# Altium PCB PCB2.PcbDoc
Units mil, origin at the board's own origin, x right, y up, seen from the top; angles counter-clockwise.
Board outline 3225 x 2225 mil, 2 copper layers (Top Layer, Bottom Layer); 13 components, 14 nets, 66 pads, 0 vias.
Unrouted connection lines stored in the file: 1.
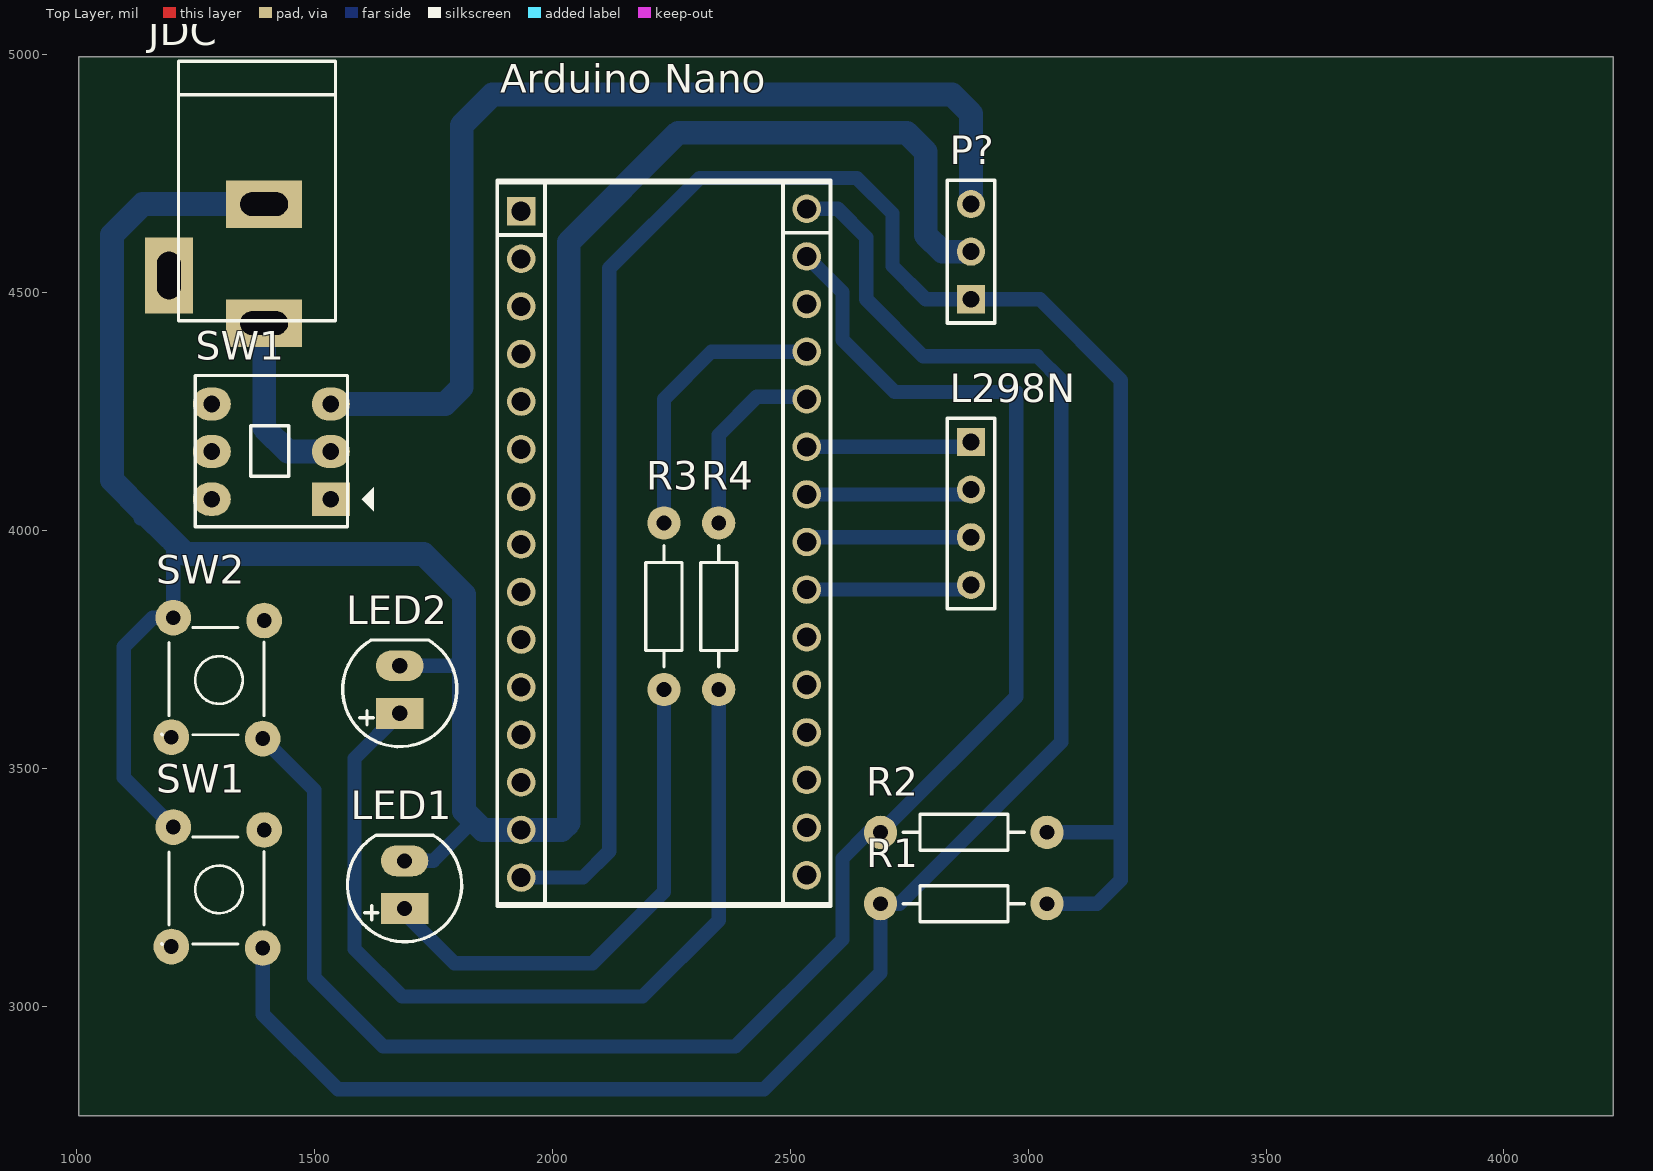
[diagram p0: Top Layer view]
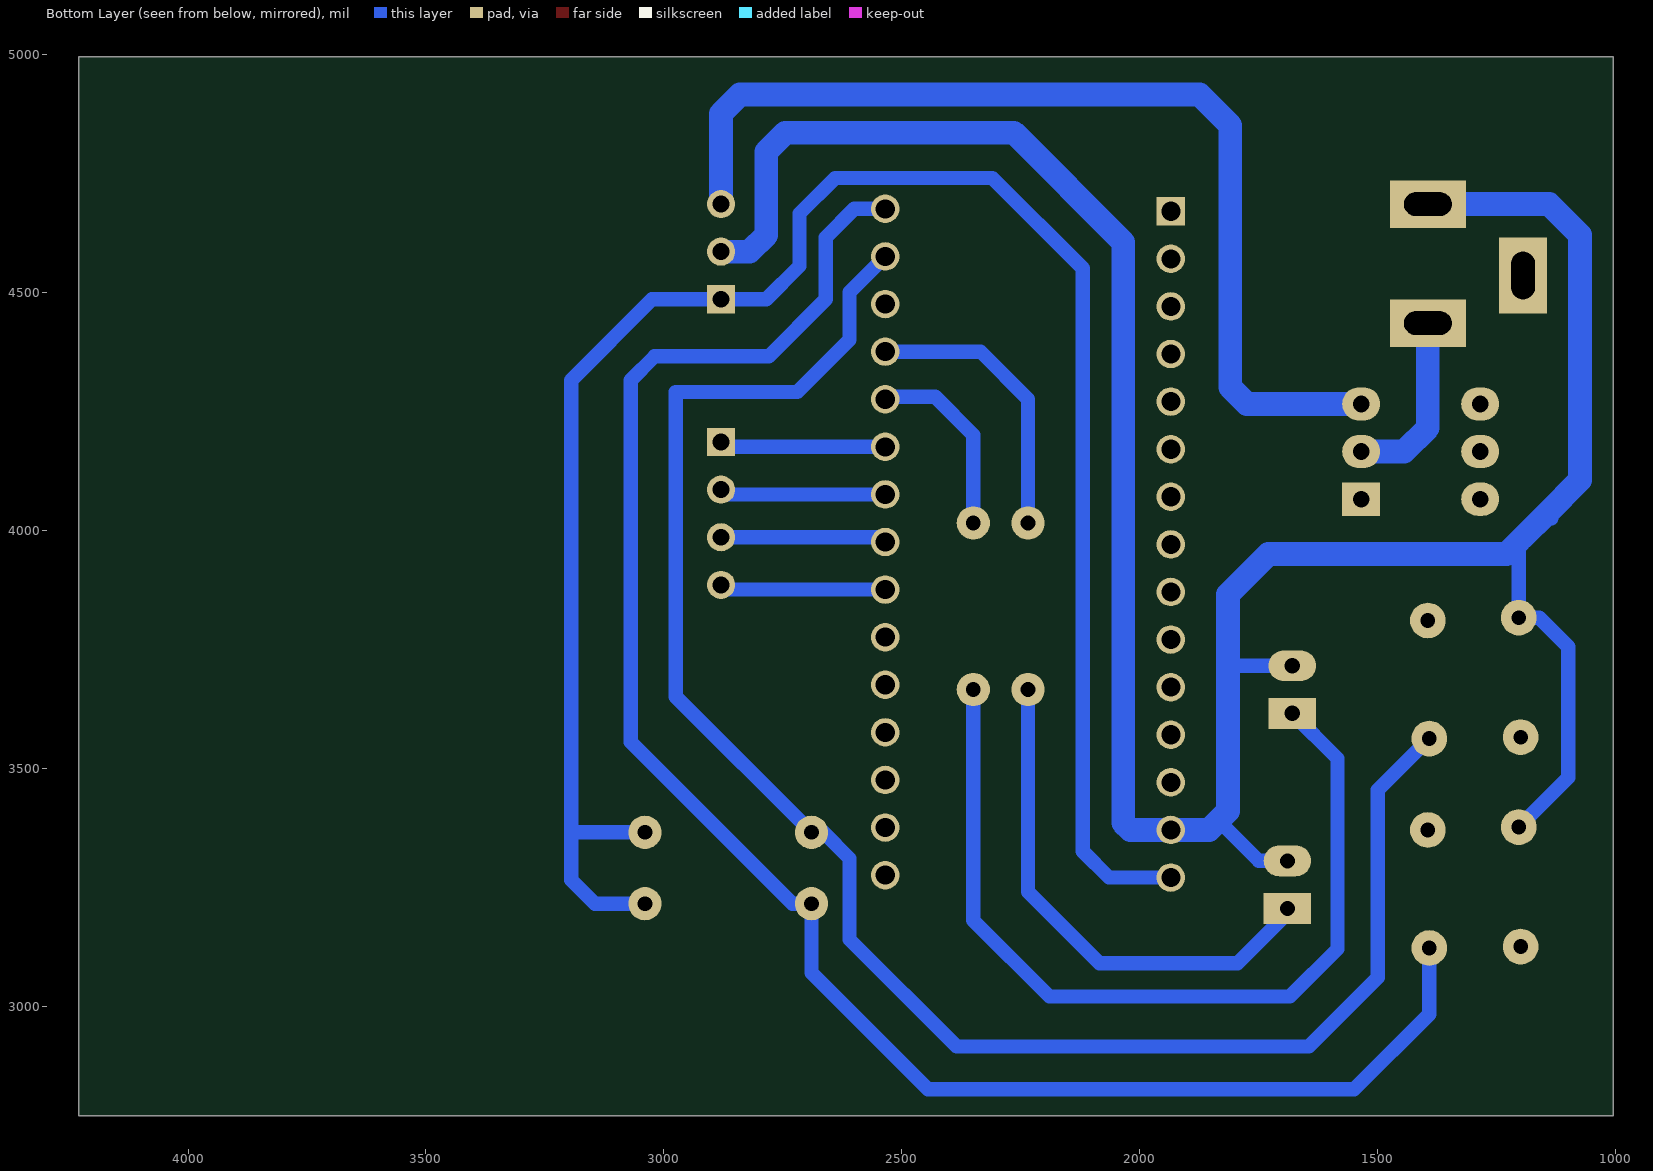
[diagram p1: Bottom Layer view, seen from below]

## Layer stack, top to bottom
Top Solder: solder mask 0.4, Solder Resist, Dk 3.5
Top Layer: signal copper 1.4
Dielectric 1: dielectric 12.6, FR-4, Dk 4.8
Bottom Layer: signal copper 1.4
Bottom Solder: solder mask 0.4, Solder Resist, Dk 3.5

## Board outline
1005,4995 4230,4995 4230,4925 4230,2770 1005,2770 1005,4995

## Design rules (kind name [scope] priority, off if disabled: settings)
Clearance [All] p1: gap=10
PolygonConnect [All] p1: connectstyle=Relief reliefconductorwidth=10 reliefentries=4 polygonreliefangle="90 Angle" airgapwidth=10
RoomDefinition Sheet2 [InComponentClass('Sheet2')] p1: confinementstyle=ConfineIn formatcopy=TRUE lockcomponents=FALSE outline 7045,1060 10840,1060 10840,2940 7045,2940
RoutingVias [All] p1: holewidth=28 width=50 viastyle="Through Hole" minholewidth=28 minwidth=50 maxholewidth=28 maxwidth=50
SolderMaskExpansion [All] p1: expansion=4
Width [All] p1: maxlimit=50 minlimit=30 preferedwidth=40
30 further rules are at their usual default settings.

## Classes and differential pairs
component class Sheet2: "Arduino Nano" JDC L298N LED1 LED2 P? R1 R2 R3 R4 SW1 SW2

## Components (designator, comment, footprint, x,y, rotation, side; value= is the part's Value field where it differs from the comment)
"Arduino Nano" "Arduino Nano" "Arduino Nano" 2205,3965 r180 top
JDC "Jac DC" DC-IN 1295,4560 r270 top
L298N "Header 4" HDR1X4 2880,4185 r270 top
LED1 "LED" "LED-5 GRe" 1690,3205 r90 top
LED2 "LED" "LED-5 GRe" 1680,3615 r90 top
P? "Header 3" HDR1X3 2880,4485 r90 top
R1 "10k" R1/4W 2690,3215 r0 top
R2 "10k" R1/4W 2690,3365 r0 top
R3 "330" R1/4W 2235,4015 r270 top
R4 "330" R1/4W 2350,4015 r270 top
SW1 "SW6A" SW6 1535,4065 r180 top
SW1 "SW" SW4 1395,3370 r270 top
SW2 "SW" SW4 1395,3810 r270 top

## Footprints (in the part's own frame and the unit in brackets; to place one, negate y for a bottom-side part, rotate by r counter-clockwise, add the part's x,y. Pads: shape width x height; smd on the part's side, far side on the other; paste and mask are expansions set on the pad)
"Arduino Nano" [mm]
  round 1.52 hole 1.02: 3V3(6.858,-15.367) 5V(6.858,10.033) A0(6.858,-10.287) A1(6.858,-7.747) A2(6.858,-5.207) A3(6.858,-2.667) A4(6.858,-0.127) A5(6.858,2.413) A6(6.858,4.953) A7(6.858,7.493) D2(-8.382,7.366) D3(-8.382,4.826) D4(-8.382,2.286) D5(-8.382,-0.254) D6(-8.382,-2.794) D7(-8.382,-5.334) D8(-8.382,-7.874) D9(-8.382,-10.414) D10(-8.382,-12.954) D11(-8.382,-15.494) D12(-8.382,-18.034) GND(-8.382,9.906) GND(6.858,15.113) REF(6.858,-12.827) RST(-8.382,12.446) RST(6.858,12.573) RX0(-8.382,14.986) TX1(-8.382,17.526) VIN(6.858,17.653)
  rect 1.52x1.52 hole 1.02: D13(6.858,-17.907)
  silkscreen extent -9.65,-19.55 8.13,19.18, body extent -9.65,-23.48 8.14,21.44, height 21.18
DC-IN [mil] "Jac DC input"
  rect 100x160 hole 50 slot 100 at 90 deg: 1(125,100) 2(-125,100)
  rect 160x100 hole 50 slot 100 at 0 deg: 3(25,-100)
  silkscreen extent -425,-80 120,250, body extent -410,-105 134,269, height 434
HDR1X3 [mm] "Connector; Header; 3 Position"
  rect 1.5x1.5 hole 0.9: 1(0,0)
  round 1.5 hole 0.9: 2(2.54,0) 3(5.08,0)
  silkscreen extent -1.27,-1.27 6.35,1.27, body extent -1.27,-1.27 6.35,1.27, height 7
HDR1X4 [mm] "Connector; Header; 4 Position"
  rect 1.5x1.5 hole 0.9: 1(0,0)
  round 1.5 hole 0.9: 2(2.54,0) 3(5.08,0) 4(7.62,0)
  silkscreen extent -1.27,-1.27 8.89,1.27, body extent -1.27,-1.27 8.89,1.27, height 7
"LED-5 GRe" [mil] "LED 2 PIN, 5 ly , Only colour,pin to pin 100mil"
  rect 65x100 hole 32: 1(0,0)
  oval 65x100 hole 32: 2(100,0)
  silkscreen extent -70,-120 154,120, body extent -54,-104 154,105, height 337
R1/4W [mil] "R 1/4W, 2 Pin, 350mil"
  round 70 hole 31: 1(0,0) 2(350,0)
  silkscreen extent 48,-38 302,38, body extent -40,-47 386,47, height 111
SW4 [mil] "SW button 4pin, 250 x250 mil"
  round 75 hole 31: 1(0,0) 2(245,-195) 3(248,-3) 4(-6,-191)
  silkscreen extent 15,-215 240,0, body extent -36,-220 276,24, height 276
SW6 [mil] "SW DTDP - 6Pin 260x300x300 mil"
  rect 80x70 hole 35: 1(0,0)
  oval 80x70 hole 35: 2(0,-100) 3(0,-200) 4(250,-200) 5(250,-100) 6(250,0)
  silkscreen extent -90,-260 285,58, body extent -33,-259 281,55, height 532

## Part data
"Arduino Nano": "Arduino NANO"
JDC: library part DCIN, "Jac DC input"
L298N: "Header, 4-Pin"
LED1 LED2: "LED Single colour Green and Red"
P?: "Header, 3-Pin"
R1 R2 R3 R4: library part R1/4W, "Resistor 1/4W"
SW1: "SW-DTDP - 6 Pin"
SW1 SW2: library part SW4, "Switch button 4 pin"

## Nets (pads, with @x,y where several pads share a name; then routed paths per layer and width w, separated by ;. In a path a pad name is that pad's centre, name@x,y a point inside that pad or via, vN(x,y) a via of type N, cw(c..) or ccw(c..) an arc to the next point about the centre after c; other vN are vias at no path point)
5V: "Arduino Nano.VIN" P?.1 R1.2 R2.2 | length 4207.7
  Bottom Layer w30: 1935,3270 2065,3270 2120,3325 2120,4550 2310,4740 2640,4740 2715,4665 2715,4555 2785,4485 P?.1 3025,4485 3195,4315 3195,3365 ; R1.2 3145,3215 3195,3265 3195,3365 ; R2.2 3195,3365
12V: P?.3 SW1.3@1535,4265 | length 2143
  Bottom Layer w50: SW1.3@1535,4265 1775,4265 1810,4300 1810,4850 1875,4915 2840,4915 2880,4875 P?.3
GND: "Arduino Nano.GND" JDC.2 LED1.2 LED2.2 P?.2 SW1.4@1204,3376 SW2.4 | length 5810.3
  Bottom Layer w30: 1135,4025 1145,4035 ; 1195,3985 1204,3976 SW2.4 1161,3816 1100,3755 1100,3480 SW1.4@1204,3376 ; LED2.2 1805,3715 1815,3725 ; LED1.2 1750,3305 1835,3390
  Bottom Layer w50: 1195,3985 1145,4035 1075,4105 1075,4620 1140,4685 JDC.2 ; 1204,3976 1230,3950 1730,3950 1815,3865 1815,3725 1815,3410 1835,3390 1855,3370 1935,3370 2020,3370 2035,3385 2035,4605 2265,4835 2745,4835 2785,4795 2785,4620 2820,4585 P?.2
IN1: "Arduino Nano.D7" L298N.1 | length 349.1
  Bottom Layer w30: 2535,4175 2870,4175 L298N.1
IN2: "Arduino Nano.D6" L298N.2 | length 349.1
  Bottom Layer w30: 2535,4075 2870,4075 L298N.2
IN3: "Arduino Nano.D5" L298N.3 | length 349.1
  Bottom Layer w30: 2535,3975 2545,3985 L298N.3
IN4: "Arduino Nano.D4" L298N.4 | length 349.1
  Bottom Layer w30: 2535,3875 2870,3875 L298N.4
LED1: "Arduino Nano.D9" R3.1 | length 601.4
  Bottom Layer w30: R3.1 2235,4275 2335,4375 2535,4375
LED2: "Arduino Nano.D8" R4.1 | length 405.2
  Bottom Layer w30: R4.1 2350,4200 2430,4280 2530,4280 2535,4275
"NetArduino Nano_D11": "Arduino Nano.D11" R2.1 SW2.3 | length 3742.5
  Bottom Layer w30: SW2.3 1500,3454 1500,3060 1645,2915 2385,2915 2610,3140 2610,3310 2665,3365 R2.1 2975,3650 2975,4290 2720,4290 2610,4400 2610,4500 2535,4575
"NetArduino Nano_D12": "Arduino Nano.D12" R1.1 SW1.3@1392,3122 | length 3790
  Bottom Layer w30: SW1.3@1392,3122 1392,2983 1550,2825 2445,2825 2690,3070 R1.1 2730,3215 3070,3555 3070,4315 3020,4365 2780,4365 2660,4485 2660,4615 2600,4675 2535,4675
NetJDC_1: JDC.1 SW1.2@1535,4165 | length 380.7
  Bottom Layer w50: JDC.1 1395,4215 1445,4165 SW1.2@1535,4165
NetLED1_1: LED1.1 R3.2 | length 1085.6
  Bottom Layer w30: LED1.1 1690,3195 1795,3090 2085,3090 2235,3240 R3.2
NetLED2_1: LED2.1 R4.2 | length 1892
  Bottom Layer w30: LED2.1 1585,3520 1585,3120 1685,3020 2190,3020 2350,3180 R4.2
pads on no net: "Arduino Nano.3V3" "Arduino Nano.5V" "Arduino Nano.A0" "Arduino Nano.A1" "Arduino Nano.A2" "Arduino Nano.A3" "Arduino Nano.A4" "Arduino Nano.A5" "Arduino Nano.A6" "Arduino Nano.A7" "Arduino Nano.D2" "Arduino Nano.D3" "Arduino Nano.D10" "Arduino Nano.D13" "Arduino Nano.REF" "Arduino Nano.RST" "Arduino Nano.RX0" "Arduino Nano.TX1" JDC.3 SW1.1 SW1.2@1200,3125 SW1.4@1285,4265 SW1.5 SW1.6 SW2.1 SW2.2